# KiCad board 5x5x2-backup.kicad_pcb (continued)
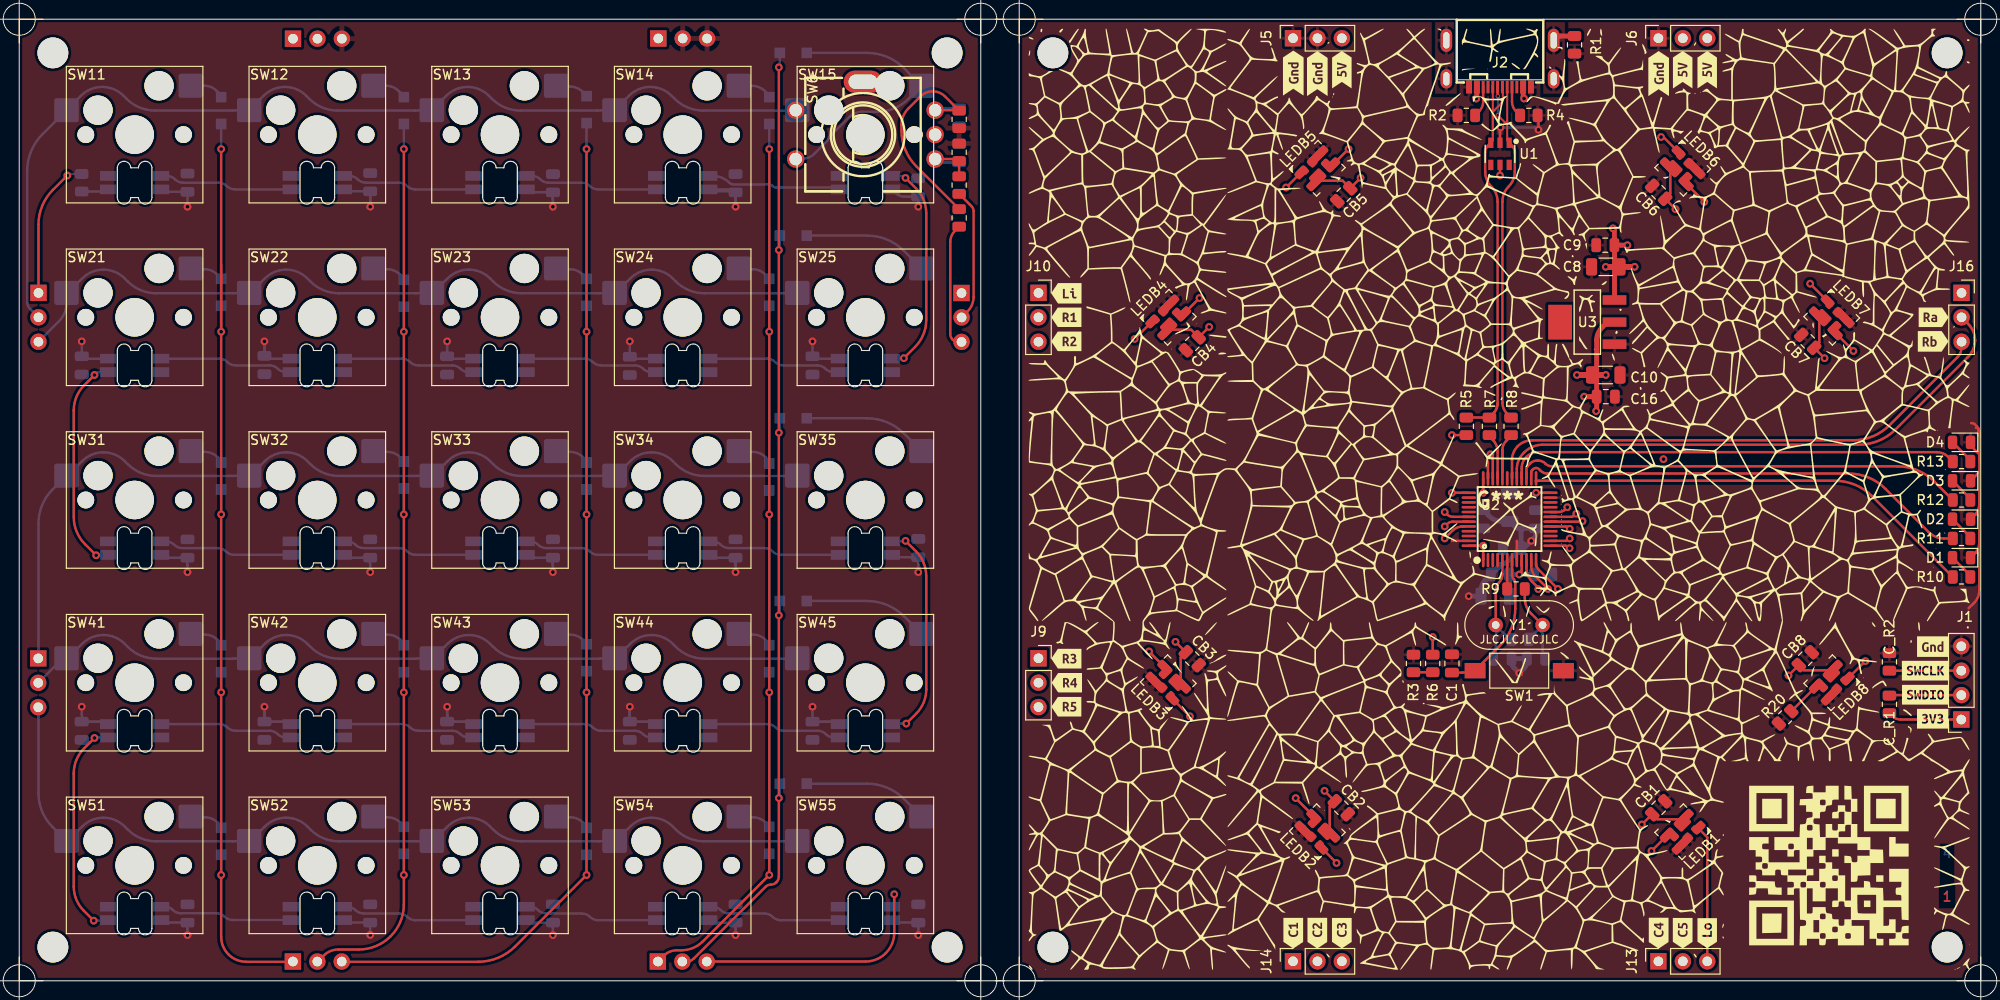
[diagram p0: board, top side]
## Routing (per net, layer and track width the routed paths; a pad name or vN(x,y) marks a point on that pad's centre or on a via; arc(x,y) is an arc through that point) (continued)
Net-(LEDB1-Pad1): length 37.4
  Top w0.25: v1(169.75,13.5) 169.76,13.5 LEDB1.1 ; LEDB2.3 137,12.26 v1(137,12.25)
  In1.Cu w0.25: v1(169.75,13.5) 139.13,13.5 arc(138.32,13.34) 137.62,12.88 v1(137,12.25)
Net-(LEDB2-Pad1): length 19.3
  Top w0.25: LEDB2.1 132.75,18.99 v1(132.75,19) ; LEDB3.3 121.75,27.51 v1(121.75,27.5) 121.75,27.51 arc(121.75,27.51) 121.75,27.52
  In1.Cu w0.25: v1(121.75,27.5) 123,27.5 arc(124.15,27.27) 125.13,26.62 v1(132.75,19)
Net-(LEDB3-Pad1): length 37.6
  Top w0.25: v1(117.5,34.25) 117.5,34.24 LEDB3.1 ; LEDB4.3 116.01,66.75 v1(116,66.75) 116.01,66.75 arc(116.01,66.75) 116.02,66.75
  In1.Cu w0.25: v1(117.5,34.25) 116.75,35 arc(116.19,35.83) 116,36.81 v1(116,66.75)
Net-(LEDB4-Pad1): length 19.3
  Top w0.25: LEDB5.3 131.76,82.5 v1(131.75,82.5) 131.76,82.5 arc(131.76,82.5) 131.77,82.5 ; LEDB4.1 122.74,71 v1(122.75,71)
  In1.Cu w0.25: v1(122.75,71) 122.75,72.25 arc(122.98,73.4) 123.63,74.38 v1(131.75,82.5)
Net-(LEDB5-Pad1): length 37.7
  Top w0.25: v1(170.75,87.75) 170.99,87.75 LEDB6.3 ; LEDB5.1 138.24,86.5 v1(138.25,86.5)
  In1.Cu w0.25: v1(170.75,87.75) 170.12,87.12 arc(169.43,86.66) 168.62,86.5 v1(138.25,86.5)
Net-(LEDB6-Pad1): length 19.3
  Top w0.25: v1(175.25,81) 175.25,81.01 LEDB6.1 ; LEDB7.3 186.25,72.49 v1(186.25,72.5) 186.25,72.49 arc(186.25,72.49) 186.25,72.48
  In1.Cu w0.25: v1(186.25,72.5) 185,72.5 arc(183.85,72.73) 182.87,73.38 v1(175.25,81)
Net-(LEDB7-Pad1): length 38
  Top w0.25: 189.93,31.18 LEDB8.3 ; v1(190.75,65.5) 190.75,65.51 LEDB7.1 ; LEDB8.3 191.99,33.25 v1(192,33.25) 191.99,33.25 arc(191.99,33.25) 191.98,33.25
  In1.Cu w0.25: v1(192,33.25) 191.38,33.88 arc(190.91,34.57) 190.75,35.38 v1(190.75,65.5)
Net-(LEDB8-Pad1): length 3.4
  Top w0.25: 184.31,28.04 LEDB8.1
Net-(R3-Pad1): length 2
  Top w0.254: R6.2 R3.1
Net-(R6-Pad1): length 15.5
  Top w0.254: 149.98,47.25 150.36,47.25 150.12,47.25 arc(149.55,47.14) 149.06,46.81 v1(148.25,46) ; v1(147,35.75) R6.1
  In1.Cu w0.254: v1(147,35.75) 147.62,36.38 arc(148.09,37.07) 148.25,37.88 v1(148.25,46)
Net-(R7-Pad1): length 4.8
  Top w0.254: 152.75,56.75 153.25,56.25 arc(153.62,55.7) 153.75,55.04 U2.33
Net-(R8-Pad1): length 3.9
  Top w0.254: 154.25,52.87 154.25,55.22 arc(154.35,55.71) 154.62,56.12 155,56.5
Net-(R9-Pad2): length 3
  Top w0.254: U2.6 R9.2
Net-(R10-Pad2): length 47.3
  Top w0.254: R10.2 192.68,50.41 arc(190.92,51.59) 188.83,52 157.71,52
Net-(R11-Pad2): length 46.8
  Top w0.254: 157.25,52.8 157.25,52.91 arc(157.27,53.01) 157.33,53.09 157.42,53.19 arc(157.57,53.29) 157.75,53.33 arc(157.93,53.29) 158.08,53.19 158.23,53.04 arc(158.55,52.82) 158.93,52.75 190.25,52.75 arc(192.33,52.34) 194.09,51.16 198.6,46.65 arc(199.32,46.17) 200.17,46 R11.2
Net-(R12-Pad2): length 47.1
  Top w0.254: U2.27 156.75,53.32 arc(156.76,53.39) 156.8,53.45 156.81,53.45 arc(156.81,53.45) 156.81,53.46 156.82,53.46 arc(156.83,53.47) 156.83,53.49 arc(156.83,53.5) 156.84,53.51 157.13,53.8 arc(157.46,54.02) 157.86,54.1 157.98,54.1 arc(158.37,54.02) 158.7,53.8 arc(159.03,53.58) 159.42,53.5 195.33,53.5 arc(197.42,53.09) 199.18,51.91 R12.2
Net-(R13-Pad2): length 47.2
  Top w0.254: R13.2 200.6,54.49 arc(200.06,54.85) 199.42,54.98 157.95,54.98 arc(157.3,54.85) 156.75,54.48 arc(156.38,53.93) 156.25,53.28 U2.28

## Copper pours and planes (outline as drawn; the poured copper is in the pictures)
+3V3 on Bottom: 172,32 136,32 136,68 172,68
GND on Top: 146.9,91.9 149.8,91.9 149.8,93.5 158.2,93.5 158.2,91.9 161.1,91.9 161.1,100 204,100 204,0 104,0 104,100 146.9,100
GND on Bottom: 0,0 100,0 100,100 0,100
/SHIELD on Top: 160.75,92.25 158.5,92.25 158.5,100 160.75,100
/SHIELD on Top: 149.5,92.25 147.25,92.25 147.25,100 149.5,100
/SHIELD on Bottom: 158.5,92.25 160.75,92.25 160.75,100 158.5,100
/SHIELD on Bottom: 147.25,92.25 149.5,92.25 149.5,100 147.25,100
Vusb on Top: 100,0 0,0 0,100 100,100
Vusb on Bottom: 104,0 104,100 146.9,100 146.9,91.9 149.8,91.9 149.8,93.5 158.2,93.5 158.2,91.9 161.1,91.9 161.1,100 204,100 204,0 ; 1 cut-out

## Text on the board
Bottom: 4
B.Silkscreen: JLCJLCJLCJLC | 202206
User.Comments: Keyboard switch board / uses only 2 layers | MCU board / 4 layers
Top: 1
F.Silkscreen: JLCJLCJLCJLC
In1.Cu: 2
In2.Cu: 3
